# Allegro board T736_DEMO_DBOARD_V0-5-draft.brd (continued)
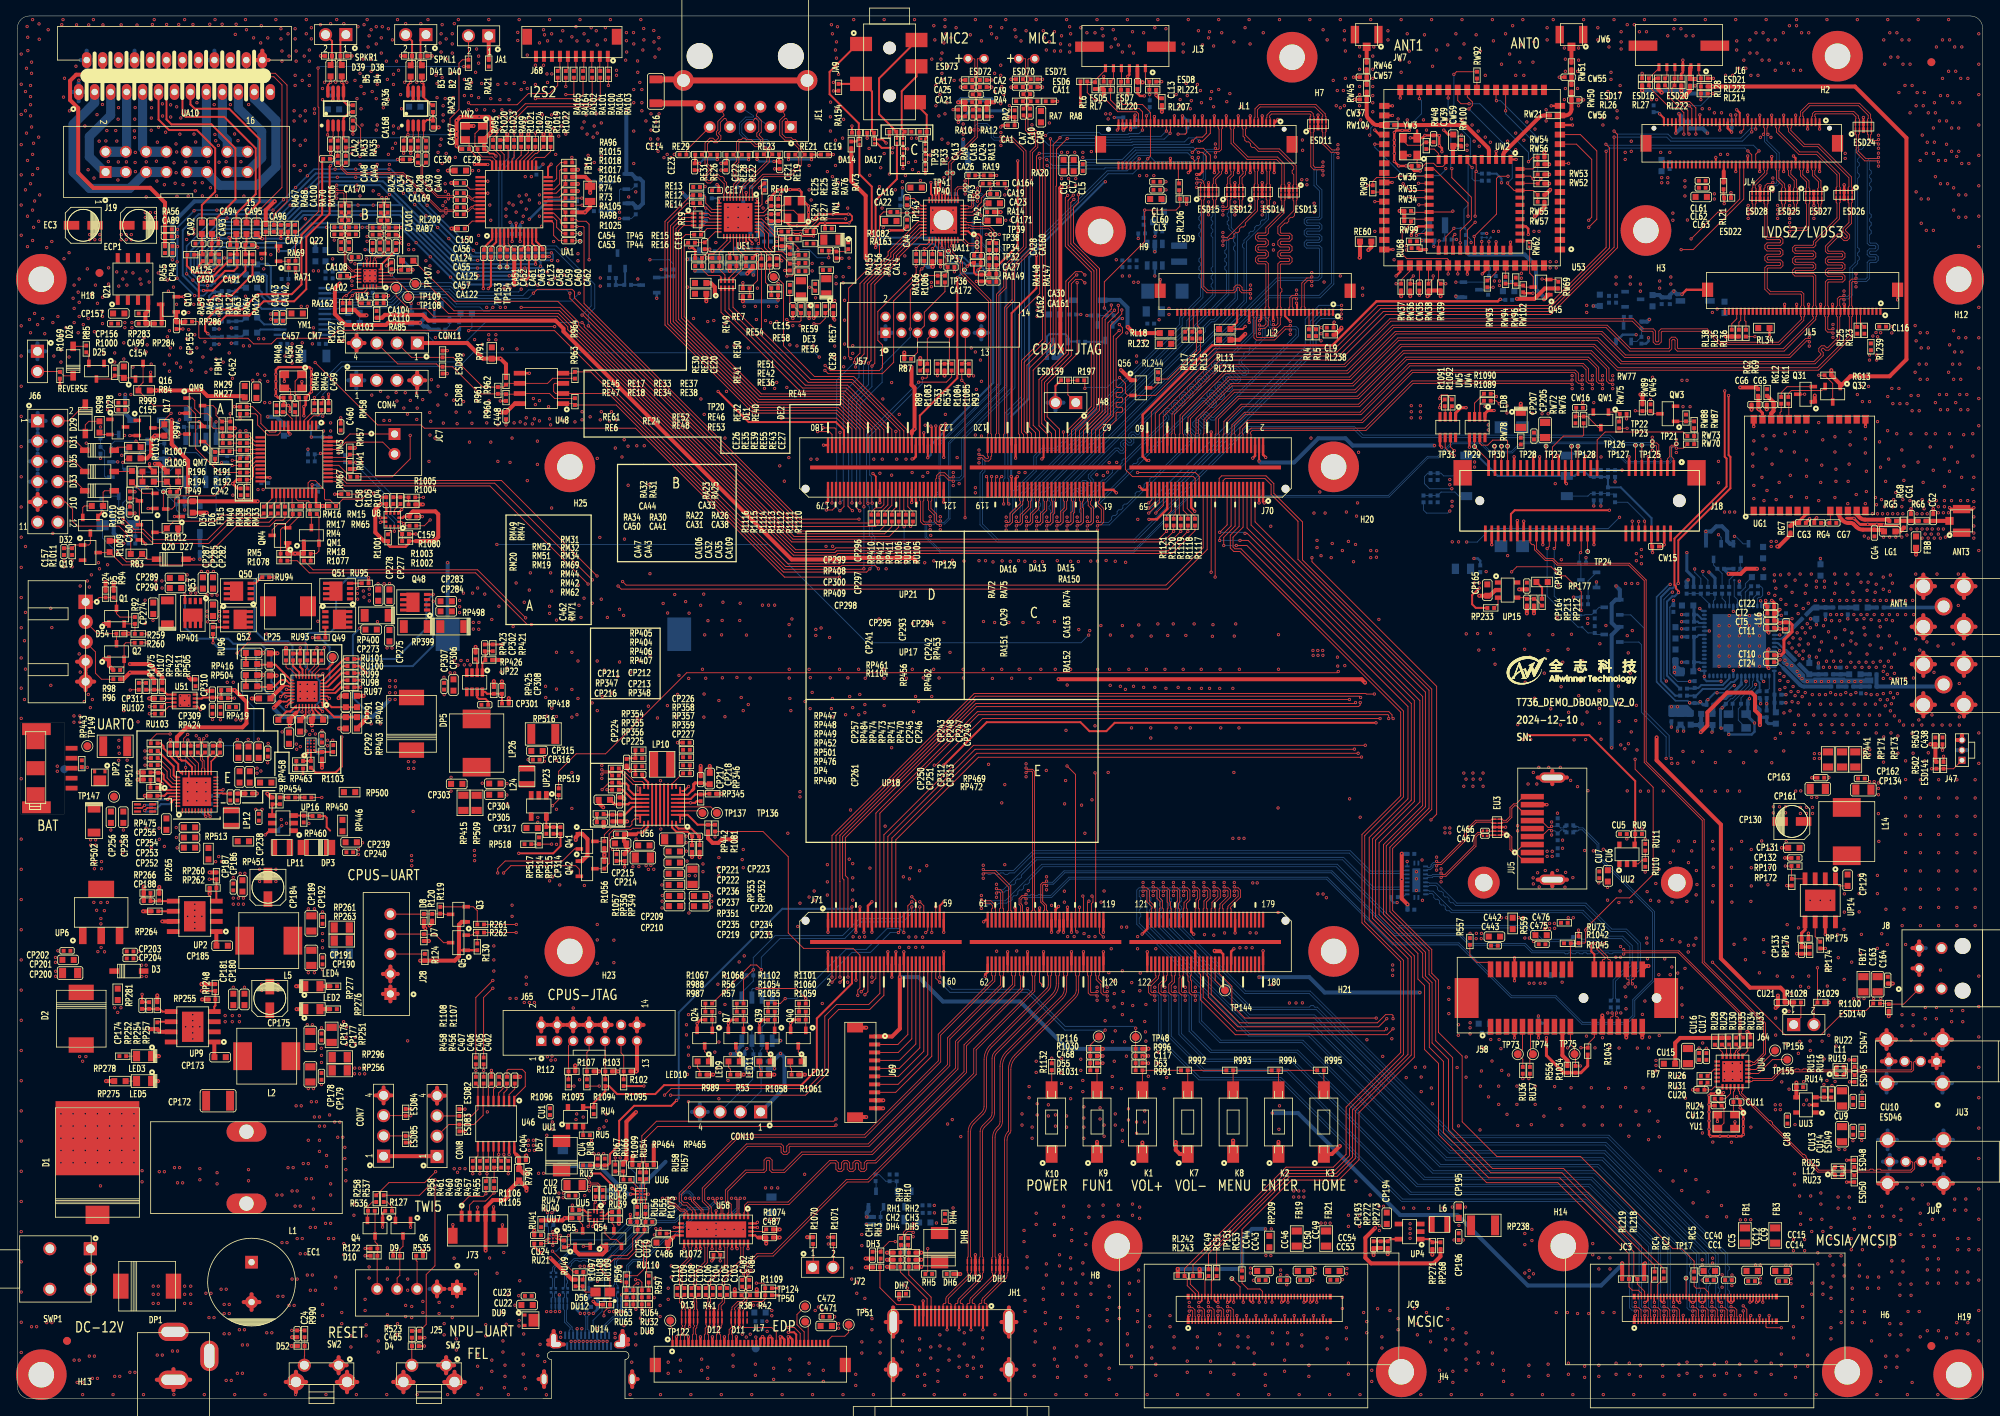
[diagram p0: board, top side]
## Routing (per net, layer and track width the routed paths; a pad name or vN(x,y) marks a point on that pad's centre or on a via; arc(x,y) is an arc through that point) (continued)
VSYS: length 27.7
  TOP w0.203: 32.89,87.38 33.37,87.38 33.38,87.36 33.78,87.36 34.02,87.6 34.12,87.6 34.17,87.65 UP21.23
  TOP w0.508: 32.89,87.38 v1(32.13,86.61) ; RP418.2 v1(61.56,87.8)
  L3 w0.508: v1(61.56,87.8) 53.91,87.8 v1(53.47,88.24)
  BOTTOM w0.508: v1(46.66,87.63) 44.48,85.45 33.17,85.45 32.13,86.49 v1(32.13,86.61)
  vias: v1(21.72,101.6) v1(21.72,100.97) v1(22.35,101.6) v1(22.35,100.97) v1(23.75,100.71) v1(24.38,100.71) v1(25.02,100.71) v1(46.65,90) v1(46.65,89.24) v1(46.65,88.48) v1(47.32,87.63) v1(47.36,89.98) v1(47.36,89.22) v1(47.36,88.46)
WAKEUP-IN: length 4.9
  TOP w0.114: CW16.2 195.28,123.19 RW72.1 RW76.2 196.68,123.11 198.08,121.71 QW1.3
WAKEUP-OUT: length 2
  TOP w0.114: RW87.2 RW73.2 RW70.2
WIFI-XTAL-IN: length 5.8
  TOP w0.114: YW3.1 175.35,154.69 CW36.1 176.13,154.51 176.46,154.84 177.42,154.84 177.82,154.43 178.56,154.43 178.95,154.82 UW2.10
WIFI-XTAL-OUT: length 2.5
  TOP w0.114: UW2.11 178.05,156.06 177.49,156.62 RW48.1
WL-EN: length 21.7
  TOP w0.114: v1(181.74,148.21) 181.74,149.86 177.47,154.13 UW2.12 ; RW93.1 v1(184.88,139.3)
  L4 w0.114: v1(181.74,148.21) 181.74,147.22 181.5,146.98 181.5,142.09 184.29,139.3 v1(184.88,139.3)
  BOTTOM w0.114: Q46.3 184.03,138.99 RW97.1 184.79,139.21 v1(184.88,139.3)
WL-REG-ON: length 145.5
  TOP w0.114: J71.11 104.05,65.24 103.73,65.56 103.73,70.31 120.16,86.74 168.02,86.74 168.22,86.94 v1(168.22,87.25)
  L4 w0.114: v1(168.22,87.25) 168.78,87.81 168.78,88.72 169.53,89.46 169.73,89.46 174.53,94.26 174.53,121.11 176.31,122.89 176.31,135.29 180.21,139.19 v1(180.21,139.94)
  BOTTOM w0.114: v1(180.21,139.94) Q46.2 184.09,139.94 184.36,140.21 RW43.2 RW40.1
WL-SDIO-CLK: length 80.3
  TOP w0.114: v1(138.05,134.62) 138.44,134.23 138.44,133.61 137.64,132.82 137.64,126.86 137.76,126.74 138.34,126.74 138.46,126.63 138.46,126.24 138.34,126.12 137.76,126.12 137.64,126.01 137.64,125.61 137.76,125.5 138.34,125.5 138.46,125.38 138.46,124.99 138.34,124.88 137.76,124.88 137.64,124.76 137.64,124.37 137.76,124.25 138.34,124.25 138.46,124.14 138.46,123.75 138.34,123.63 137.76,123.63 137.64,123.52 137.64,122.63 136.05,121.04 J70.62 ; v1(174.88,140.72) 174.5,140.34 RW36.1 CW35.2 175.64,142.03 U53.51 ; UW2.17 v1(175.56,149.63)
  L3 w0.114: v1(138.05,134.62) 138.4,134.97 138.6,134.97 138.7,135.07 139.6,135.07 139.71,135.19 139.71,135.58 139.83,135.69 140.22,135.69 140.33,135.58 140.33,135.19 140.45,135.07 140.84,135.07 140.96,135.19 140.96,135.58 141.07,135.69 141.46,135.69 141.58,135.58 141.58,135.19 141.69,135.07 142.15,135.07 142.43,134.79 145.88,134.79 147.03,135.93 163.25,135.93 167.6,140.28 174.44,140.28 v1(174.88,140.72)
  L4 w0.114: v1(175.56,149.63) 176.25,148.95 176.25,148.47 176.14,148.36 175.58,148.36 175.46,148.24 175.46,148.01 175.58,147.9 176.14,147.9 176.25,147.78 176.25,147.56 176.14,147.44 175.58,147.44 175.46,147.33 175.46,147.1 175.58,146.98 176.14,146.98 176.25,146.87 176.25,145.86 176.01,145.62 175.69,145.62 174.88,144.81 v1(174.88,140.72)
WL-SDIO-CMD: length 77.8
  TOP w0.114: U53.50 174.44,141.32 173.35,140.23 RW37.1 v1(172.72,139.74) ; UW2.16 v1(173.74,150.53) ; J70.64 135.55,121.42 137.3,123.17 137.3,133.16 v1(138.02,133.88)
  L3 w0.114: v1(172.72,139.74) 171.16,139.74 171.05,139.63 171.05,137.88 170.93,137.76 170.54,137.76 170.43,137.88 170.43,139.63 170.31,139.74 169.92,139.74 169.8,139.63 169.8,137.88 169.69,137.76 169.29,137.76 169.18,137.88 169.18,139.63 169.07,139.74 167.61,139.74 163.46,135.59 151.11,135.59 149.97,134.45 142.26,134.45 141.98,134.73 138.87,134.73 v1(138.02,133.88)
  L4 w0.114: v1(173.74,150.53) 173.74,149.21 173.61,149.08 173.61,140.63 v1(172.72,139.74)
WL-SDIO-D0: length 79.5
  TOP w0.114: RW35.1 174.77,148.69 176.82,148.69 UW2.18 179.72,148.73 v1(179.83,148.84) ; v1(138.35,136.45) 138.35,135.94 136.96,134.54 136.96,123.31 135.05,121.41 J70.66 ; U53.55 v1(180.44,140.97)
  L3 w0.114: v1(180.44,140.97) 179.91,140.44 178.94,140.44 178.47,139.96 176.91,139.96 175.4,141.47 167.82,141.47 162.97,136.62 146.48,136.62 145.33,135.48 144,135.48 143.03,136.45 v1(138.35,136.45)
  L4 w0.114: v1(179.83,148.84) 179.83,148.46 179.07,147.7 179.07,142.34 v1(180.44,140.97)
WL-SDIO-D1: length 77.9
  TOP w0.114: v1(179.24,140.97) U53.54 179.24,142.78 179.13,142.89 174.05,142.89 173.48,143.46 173.48,146.22 174.59,147.33 RW34.1 174.85,147.83 UW2.19 ; J70.68 134.55,121.39 136.61,123.45 136.61,134.84 137.92,136.14 v1(137.92,137.03)
  L3 w0.114: v1(137.92,137.03) 144.07,137.03 144.1,137.06 148.95,137.06 153.7,141.81 175.69,141.81 177.2,140.3 177.54,140.3 178.21,140.97 v1(179.24,140.97)
WL-SDIO-D2: length 81.9
  TOP w0.114: UW2.14 v1(175.53,152.33) ; U53.53 178.04,140.01 RW39.1 v1(178.94,139.74) ; J70.70 134.05,121.38 136.27,123.6 136.27,135.25 v1(137.44,136.42)
  L3 w0.114: v1(178.94,139.74) 178.82,139.62 176.76,139.62 175.25,141.13 167.96,141.13 163.11,136.28 146.88,136.28 145.74,135.13 143.76,135.13 142.86,136.04 137.83,136.04 v1(137.44,136.42)
  L4 w0.114: v1(178.94,139.74) 177.93,140.76 177.93,144.53 177.67,144.78 177.67,150.19 v1(175.53,152.33)
WL-SDIO-D3: length 82.9
  TOP w0.114: v1(177.37,140.72) 177.37,140.33 RW38.1 176.78,141.97 U53.52 ; v1(173.61,152.27) 174.45,151.43 UW2.15 ; v1(137.05,137.07) 137.05,136.56 135.9,135.42 135.9,123.71 133.55,121.36 J70.72
  L3 w0.114: v1(137.05,137.07) 137.8,137.83 149.16,137.83 153.49,142.16 175.93,142.16 v1(177.37,140.72)
  L4 w0.114: v1(173.61,152.27) 174.45,151.43 175.53,151.43 177.03,149.93 177.03,144.28 177.07,144.24 177.07,141.01 v1(177.37,140.72)
WL-WAKE-AP: length 158.1
  TOP w0.114: v1(167.64,87.25) 167.51,87.12 120.06,87.12 103.38,70.45 103.38,65.2 103.55,65.03 J71.9 ; v1(169.13,152.08) RW98.1 169.8,152.58 170.27,153.05 172.67,153.05 172.85,153.23 UW2.13
  L4 w0.114: v1(169.13,152.08) 169.13,148.3 170.81,146.62 170.81,138.66 172.09,137.38 172.09,95.1 167.64,90.66 v1(167.64,87.25)
WL_INT_N: length 1.4
  TOP w0.114: U53.42 RW98.2
WREQIN: length 158.8
  TOP w0.114: U53.30 v1(175.64,162.94) ; v1(171.55,47.62) 170.54,46.61 152.91,46.61 149.2,50.32 149.2,52.88 149.05,53.03 J71.152
  L4 w0.114: v1(171.55,47.62) 171.55,48.04 174.64,51.13 174.64,59.24 166.01,67.87 166.01,90.83 171.06,95.87 171.06,135.9 169.67,137.29 169.67,144.81 168.37,146.11 168.37,157.32 v1(169.42,158.37)
  BOTTOM w0.114: v1(175.64,162.94) 175.9,162.69 175.9,161.04 174.62,159.77 170.05,159.77 169.54,159.26 169.54,158.5 v1(169.42,158.37)
XRSTJ: length 1.5
  TOP w0.114: RU30.2 214.62,44.21 UU4.16
XTAL-25MIN: length 6.2
  TOP w0.114: UE1.36 93.6,148.26 93.79,148.46 CE24.2 RE27.2 95.82,148.95 97.23,148.95 YN1.1
XTAL-25MOUT: length 4.4
  TOP w0.114: YN1.3 96.48,150.1 95.89,149.51 RE25.2 CE25.2 94.29,149.51 93.44,148.66 UE1.37
N17310341: length 1.1
  TOP w0.114: UU1.3 70.88,33.28 RU5.2
N17311481: length 4.9
  TOP w0.112: v1(192.2,71.18) 192.04,71.34 191.81,71.34 190.92,70.45 JU5.2
  BOTTOM w0.112: L10.4 193.75,71.29 193.41,71.29 ESD43.2 192.62,71.18 v1(192.2,71.18)
N17311494: length 4.8
  TOP w0.112: JU5.3 190.9,72.45 191.77,71.58 192.04,71.58 v1(192.2,71.74)
  BOTTOM w0.112: L10.3 193.72,71.53 193.33,71.53 ESD42.2 192.8,71.74 v1(192.2,71.74)
N17311572: length 2.7
  TOP w0.114: UU2.3 203.04,67.03 203.52,67.51 RU10.2 RU11.2
N17526892: length 7
  TOP w0.114: R96.2 10.54,90.17 9.78,90.93 9.78,93.6 8.55,94.83 J24.3
N17526894: length 8.4
  TOP w0.114: R92.2 12.85,97.96 12.42,98.39 Q1.3 12.42,100.06 R94.1 D5.2 10.24,100.41 9.7,99.87 J24.1
N17526923: length 4.8
  TOP w0.114: R260.1 13.59,94.74 13.37,94.52 Q2.2 13.37,91.81 R98.2
N17526934: length 5.7
  TOP w0.114: Q2.3 12.42,95.87 D54.2 10.04,95.89 J24.2
N17534062: length 2.6
  TOP w0.114: R259.1 14.73,95.88 R92.1 13.39,97.11 Q1.2
N17535435: length 4.3
  TOP w0.114: R124.2 51.04,55.73 J28.3
N17535437: length 7.6
  TOP w0.114: Q3.3 53.52,60.71 53.43,60.79 R119.2 52.94,60.75 R120.1 D8.2 50.91,60.73 J28.5
N17535446: length 2.9
  TOP w0.114: R130.2 57.61,57.06 R262.1 57.26,58.42 56.94,58.1 Q5.2
N17535460: length 8
  TOP w0.114: Q5.3 53.39,57.15 52.33,58.21 D7.2 50.91,58.23 J28.4
N17535579: length 6.6
  TOP w0.114: R119.1 56.21,61.64 Q3.2 57.11,61.66 57.61,61.16 R261.1
N17700611: length 10.2
  TOP w0.114: RH3.2 108.06,17.48 DH3.2 108.06,13.89 110.17,11.79 112.18,11.79 112.47,11.5 JH1.19
N19372000: length 30
  TOP w0.254: RP252.2 CP174.2 v1(15.62,50.67)
  L3 w0.508: v1(38.07,43.92) 39.09,44.93 39.09,46.35 37.69,47.75 34.24,47.75 32.61,49.38 16.92,49.38 v1(15.62,50.67)
  vias: v1(38.1,43.03) v1(38.1,42.14)
N19372050: length 3.8
  TOP w0.254: CP174.1 RP252.1 RP254.2 17.82,48.85 18.16,48.51 UP9.5
N19372315: length 1.8
  TOP w0.254: RP257.2 17.61,47.24 UP9.6
N19375956: length 38
  TOP w0.381: RP176.2 CP133.2 v1(222.91,55.77)
  L3 w0.254: v1(222.91,55.77) 226.61,55.77 234.95,64.11 234.95,76.3 233.4,77.86 v1(226.95,77.86)
N19376064: length 2.7
  TOP w0.114: UP14.6 225.22,57.91 RP174.2
N19376082: length 4.3
  TOP w0.381: UP14.5 223.95,58.78 223.52,58.35 RP175.2 223.52,56.62 CP133.1 RP176.1
N19376094: length 2.1
  TOP w0.114: CP129.2 228.21,64.27 227.76,64.72 UP14.1
N19376526: length 2.4
  TOP w0.254: RP177.1 191.01,101.65 RP212.2
N19376534: length 3.5
  TOP w0.114: UP15.4 188.95,100.4 CP164.2 RP213.1 190.16,100.25 RP212.1
N19376562: length 1.5
  TOP w0.114: RP233.2 185.49,99.6 UP15.3
N19388067: length 2.3
  TOP w0.114: RL206.2 145.45,152.41 JL1.50
N19388835: length 2.2
  TOP w0.114: JL1.65 v1(141.45,160.78)
  BOTTOM w0.114: RL40.1 141.86,161.2 v1(141.45,160.78)
N19391444: length 7.5
  BOTTOM w0.254: RL8.2 CL10.1 128.99,133.13 129.29,133.43 131.27,133.43 131.63,133.06 QL1.1 132.89,132.5 RL10.2
N19391490: length 2.3
  BOTTOM w0.114: QL2.1 135.32,135.66 RL12.2 RL11.2
N19391591: length 2.6
  BOTTOM w0.254: RL10.1 136.1,132.46 QL2.3
N19391645: length 2.6
  TOP w0.114: RL17.1 146.81,134.24 JL2.37
N19391686: length 2.1
  TOP w0.114: JL2.7 161.81,134.04 RL4.2
N19391690: length 2.3
  TOP w0.114: JL2.6 162.31,134.4 RL5.2
N19391883: length 2.5
  TOP w0.114: JL2.36 147.31,133.85 RL14.2
N19393896: length 2.3
  TOP w0.254: 213.77,153.83 JL4.50
  TOP w0.508: RL21.2 213.77,152.47 213.77,153.83
N19395517: length 1.1
  BOTTOM w0.114: RL31.1 201.22,135.55 QL4.3
N19395559: length 2.6
  BOTTOM w0.114: QL4.1 202.87,132.5 RL33.2 RL32.2
N19395675: length 2.6
  TOP w0.114: JL5.37 215.4,135.35 214.78,134.73 RL38.1
N19395722:
  vias: v1(212.34,136.14) v1(212.94,136.58)
N19395730: length 2.2
  TOP w0.114: JL5.6 230.9,134.81 RL23.2
N19395732: length 2
  TOP w0.114: JL5.7 230.4,134.42 RL25.2
N19395736: length 2.4
  TOP w0.114: RL36.1 216.55,134.98 216.4,135.13 JL5.35
N19395903: length 2.4
  TOP w0.114: RL35.2 215.67,134.92 215.9,135.15 JL5.36
N19405921: length 2.5
  TOP w0.114: RC4.2 204.66,14.62 JC3.12
N19405955: length 3.6
  TOP w0.114: JC3.48 211.85,13.32 211.33,13.84 210.31,13.84 210.06,14.1 RC5.2
N19405994: length 2.6
  TOP w0.114: JC3.16 205.46,14.28 RC2.2
N19409749: length 5.8
  BOTTOM w0.114: RW86.1 CW19.2 ESD57.1 178.35,113.63 180.09,113.63 180.6,113.12 J3.7
N19409758: length 6.3
  BOTTOM w0.114: J3.3 196.74,113.12 197.08,113.45 ESD56.1 CW20.2 199.18,113.45 RW84.2 199.98,113.37 RW85.1
N19419901: length 11.1
  L4 w0.508: v1(92.2,140.84) 92.2,141.73 93.73,143.26 93.73,144.27 94.49,145.03 v1(95.12,145.03)
  BOTTOM w0.508: RE3.1 88.25,142.63 88.65,142.24 91.31,142.24 92.2,141.35 v1(92.2,140.84)
N19421285: length 5.3
  TOP w0.254: RE21.2 CE19.2
  TOP w0.305: RE19.2 v1(96.6,155.3) ; RE21.2 v1(99.48,155.3)
  BOTTOM w0.254: v1(99.48,155.3) v1(96.6,155.3)
N19421315: length 4.5
  TOP w0.254: CE21.2 95.42,155.07 RE23.2
  TOP w0.305: RE22.2 v1(92.67,155.33) ; 95.42,155.07 v1(94.79,155.07)
  BOTTOM w0.254: v1(94.79,155.07) 92.93,155.07 v1(92.67,155.33)
N19421329: length 6
  TOP w0.254: CE22.2 88.86,154.91 RE26.2
  TOP w0.305: CE22.2 v1(88.15,154.83) ; RE28.2 v1(91.61,155.3)
  BOTTOM w0.254: v1(88.15,154.83) 88.62,155.3 v1(91.61,155.3)
N19421339: length 4.8
  TOP w0.305: RE31.2 v1(87.67,155.3) ; RE29.2 84.92,154.91 CE23.2 v1(85.46,154.83)
  BOTTOM w0.254: v1(85.46,154.83) 85.94,155.3 v1(87.67,155.3)
N19421372: length 4.7
  TOP w0.114: CE14.1 83.81,156.46 JE1.9
N19426609: length 7.3
  TOP w0.114: K1.2 140.94,41.1 R991.2 R992.1
N19426617: length 7.3
  TOP w0.114: R994.1 R993.2 152.3,41.13 K8.2
N19426627: length 7.3
  TOP w0.114: R995.1 R994.2 157.99,41.14 K2.2
N19426637: length 7.3
  TOP w0.114: R993.1 R992.2 146.62,41.1 K7.2
N19426641: length 2.5
  TOP w0.114: R995.2 163.67,41.1 K3.2
N19458872:
  vias: v1(124.28,162.08) v1(124.28,161.49) v1(129.29,159.89)
N19459092: length 3.6
  TOP w0.508: RA9.2 118.74,162.45 RA10.2 v1(117.86,162.48)
  BOTTOM w0.508: CA20.2 118.24,162.86 v1(117.86,162.48)
N19459118: length 3.5
  TOP w0.508: RA13.2 121.43,162.48 RA12.2 v1(122.38,162.48)
  BOTTOM w0.508: CA20.1 122,162.86 v1(122.38,162.48)
N19462537: length 5.3
  TOP w0.102: RA23.1 45.8,148.38 45.8,147.78 45.69,147.68 CA33.2 45.8,147.4 45.8,147.23 RA22.1 45.8,146.35 45.8,146 45.69,145.9 CA31.2 45.8,145.46 45.8,145.25 CA32.1
N19462549: length 5.1
  TOP w0.102: CA43.1 41.31,144.95 41.21,145.05 41.21,145.57 CA41.2 41.31,145.92 41.21,146.02 41.21,146.46 RA30.1 41.21,147.16 41.21,147.43 CA44.2 41.21,147.97 41.21,148.36 RA31.1
N19462627: length 4.9
  TOP w0.102: RA32.1 40.91,148.36 40.91,147.97 CA44.1 40.91,147.43 40.91,147.16 RA34.2 40.91,146.46 40.91,146.02 40.81,145.92 CA50.1 40.91,145.57 40.91,145.3 CA47.1
N19462788: length 5.3
  TOP w0.102: CA35.1 46.1,145.25 46.1,145.46 CA38.1 46.2,145.9 46.1,146 46.1,146.35 RA26.2 46.1,147.23 46.1,147.4 CA33.1 46.2,147.68 46.1,147.78 46.1,148.38 RA25.1
N19487538: length 6.6
  TOP w0.102: J58.A13 198.56,54.96 198.66,55.06 198.8,55.06 198.9,55.16 198.9,55.31 197.84,56.37 197.84,56.9 v1(197.71,57.02)
  BOTTOM w0.102: v1(197.71,57.02) 197.84,57.15 197.84,57.36 197.74,57.46 196.7,57.46 196.51,57.28 196.03,57.28 R1035.2
N19487540: length 7.2
  TOP w0.102: J58.A14 199.56,54.96 199.45,55.06 199.31,55.06 199.21,55.16 199.21,55.43 198.15,56.5 198.15,56.9 v1(198.27,57.02)
  BOTTOM w0.102: R1036.2 196.03,57.58 196.39,57.58 196.57,57.77 197.87,57.77 198.15,57.49 198.15,57.15 v1(198.27,57.02)
N19487589: length 5.2
  TOP w0.508: J58.B10 193.56,43.02 194.18,42.39 R556.1
N19487634: length 5.1
  TOP w0.114: R557.2 181.97,55.55 182.83,54.69 184.44,54.69 184.56,54.57 J58.A1
N19571653: length 2
  TOP w0.114: CA106.1 44.5,143.43 44.22,143.15 44.22,142.57 44.17,142.52 UA3.8
N19681926: length 2
  TOP w0.114: UA2.2 49.59,157.98 CA34.1
N19681928: length 1.1
  TOP w0.114: CA40.1 RA28.1
N19681938: length 4.8
  TOP w0.114: RA28.2 50.89,157.97 UA2.4
  TOP w0.254: RA29.1 CA167.1 51.99,160.27 51.31,160.27 50.89,159.85 UA2.4
N19681971: length 2.2
  TOP w0.114: CA169.1 49.72,155.32 CA39.1 RA27.1
N19681973: length 1.9
  TOP w0.114: UA2.3 50.24,157.74 RA27.2
N19682065: length 6.2
  TOP w0.114: CA168.1 43,159.23 43,157.58 42.25,156.83 RA35.1 CA49.1
N19682067: length 2
  TOP w0.114: CA42.1 39.55,157.98 UA4.2
N19682069: length 4.4
  TOP w0.254: RA35.2 40.85,157.97 UA4.4 40.85,160.49 41.64,161.27 RA36.1
N19682113: length 1.9
  TOP w0.114: RA33.2 40.2,157.74 UA4.3
N19682135: length 2.2
  TOP w0.114: RA33.1 CA48.1 39.76,155.4 CA170.1
N19682166: length 3
  TOP w0.508: RA21.1 JA1.1
N19686641: length 4.2
  TOP w0.254: 51.18,170.97 50.5,170.29 D40.2 50.5,167.3 B2.2
N19686661: length 4.2
  TOP w0.254: SPKL1.2 49.45,170.16 D41.2 49.45,167.3 B3.2
N19686663: length 4.2
  TOP w0.254: B4.2 40.47,167.33 D38.2 40.47,170.29 SPKR1.1
N19686673: length 4.2
  TOP w0.254: B5.2 39.41,167.33 D39.2 39.41,170.16 SPKR1.2
N19770563: length 4.9
  TOP w0.114: D32.3 9.14,107.19 8.95,106.99 Q19.1 7.26,106.99 R1011.1 C157.2
N19771083: length 5.2
  TOP w0.114: Q16.1 14.66,127.94 C154.2 13.05,128.23 R1000.1 11.77,127.81 D25.3
N19774875: length 10.3
  TOP w0.114: v1(12.51,106.03) 13.65,104.89 14.64,104.89 R83.1 16.28,105.22 D27.2
  BOTTOM w0.114: v1(12.51,106.03) 10.67,107.87 D24.C
N19774889: length 4.4
  BOTTOM w0.114: Q15.1 13.65,110.3 D24.A 14.78,109.17 C153.1 R82.2
N19775361: length 8.3
  BOTTOM w0.114: Q18.1 11.04,115.51 10.92,115.62 10.92,118.79 R1008.1 C156.2 10.92,120.86 D30.3
N19775460: length 5.4
  TOP w0.114: Q20.1 D34.3 14.94,112.86 R106.1 C160.2
N19779918: length 7.5
  TOP w0.114: C405.2 61.34,41.14 61.47,41.27 63.25,41.27 63.63,40.89 63.63,39.12 62.25,37.74 U46.1
N19779920: length 2.4
  TOP w0.114: U46.3 60.95,38.34 61.34,38.73 C405.1
N19779922: length 3.5
  TOP w0.114: U46.4 60.3,38.33 60.83,38.86 60.83,39.87 C406.2
N19779933: length 2.4
  TOP w0.114: U46.6 59,39.11 C407.2
N19779951: length 2.5
  TOP w0.114: C406.1 59.65,38.78 U46.5
N19779972: length 2.5
  TOP w0.114: U46.2 61.6,38.11 62.31,38.82 C402.1
N19779989: length 1.9
  TOP w0.114: U46.12 59.65,29.87 R459.1
N19779991: length 1.9
  TOP w0.114: U46.11 59,29.97 R460.1
N19780033: length 2
  TOP w0.114: U46.10 58.35,30.21 R461.1
N19780058: length 2.1
  TOP w0.114: U46.9 57.7,30.45 R958.1
N19825540: length 1.1
  TOP w0.114: R1001.2 46.73,108.62 U8.11
N19825553: length 2.8
  TOP w0.114: R1004.1 R1005.1 48.98,112.99 R104.2 R105.2
N19825554: length 2.1
  TOP w0.114: R1002.2 R1003.2 47.72,108.85 U8.1
N19829526: length 3.1
  TOP w0.114: RM50.1 34.21,125.09 C457.2 34.21,126.52 34.09,126.63 YM1.3
N19831822: length 3.1
  TOP w0.114: RM19.1 25.65,118.66 RM20.2 23.47,119.95 QM7.1
N20102372: length 4.3
  BOTTOM w0.114: QH4.1 110.15,26.64 RH20.1 CH6.1 108.79,27.25 107.93,28.11 RH22.2
N20102505: length 1.3
  BOTTOM w0.114: QH5.3 107.57,27.21 RH22.1
N20201215: length 2.4
  TOP w0.114: R56.2 R57.2 90.96,47.49 Q7.1
N20201255: length 2.2
  TOP w0.114: Q7.3 90.01,43.49 90.51,43 LED9.2
N20201276: length 1.8
  TOP w0.114: R53.1 89.32,41.31 89.08,41.55 LED9.1
N20203968: length 1.3
  TOP w0.508: 243.61,83.18 J47.3 242.98,82.55
N20204246: length 2.4
  TOP w0.114: Q24.1 87.06,47.48 R987.2 R988.2
N20204286: length 2.2
  TOP w0.114: Q24.3 86.11,43.51 86.63,42.98 LED10.2
N20204307: length 1.8
  TOP w0.114: LED10.1 85.21,41.43 85.49,41.15 R989.1
N20295184: length 1.4
  TOP w0.114: LED5.1 RP275.1
N20295185: length 1.3
  TOP w0.508: LED2.1 RP276.1
N20295186: length 1.3
  TOP w0.114: LED3.1 RP278.1
N20295187: length 1.3
  TOP w0.508: LED4.1 RP277.1
N20295497: length 1.7
  TOP w0.114: D26.1 8.54,131.9 R85.2
N20295509: length 1.5
  TOP w0.114: D25.2 8.96,130.83 R85.1
N20295552: length 5
  TOP w0.114: v1(14.86,120.02) 15.44,119.43 R1007.1
  BOTTOM w0.114: D30.2 11.75,119.57 12.19,120.02 v1(14.86,120.02)
N20295566: length 2
  TOP w0.114: R1007.2 12.52,119.25 D31.1
N20295584: length 2.2
  TOP w0.114: D35.1 14.27,116.2 R1013.2
N20295596: length 3.5
  TOP w0.114: D34.2 15.74,113.47 R1013.1
N20295618: length 2.5
  TOP w0.114: R1010.1 8.38,111.89 8.19,111.7 D32.2
N20295635: length 3.2
  TOP w0.114: R1010.2 10.74,113.61 10.92,113.79 D33.1
N20295656: length 3.1
  TOP w0.114: R998.2 8.97,122.5 8.51,122.05 D29.1
N20295682: length 1.4
  TOP w0.114: D28.2 10.53,120.84 R998.1
N20295748: length 1.9
  TOP w0.508: CP173.1 24.67,42.82 UP9.1
N20295781: length 2.5
  TOP w0.508: RP284.1 18.08,137.03 Q10.3
N20295782: length 2.4
  TOP w0.508: RP286.1 20.95,134.92 CP155.1 19.9,134.96 Q10.1
N20441672: length 2
  TOP w0.114: UM3.14 29.75,119.98 29.08,120.65 RM31.2
N20490806: length 2.2
  TOP w0.254: UA1.9 63.49,146.08 63.49,144.97 63.49,144.38 CA58.1
N20490812: length 2.1
  TOP w0.254: CA59.1 64,144.06 63.99,144.89 63.99,146.08 UA1.10
N20490816: length 2.2
  TOP w0.254: CA60.1 64.91,144.37 64.49,144.79 64.49,145.21 64.49,146.09 UA1.11
N20490824: length 2.4
  TOP w0.254: CA62.1 65.8,144.25 64.99,145.05 64.99,145.31 64.99,146.09 UA1.12
N20492590: length 2.9
  TOP w0.114: RA97.2 64.9,156.58 63.48,155.19 UA1.28
N20492593: length 4
  TOP w0.114: UA1.23 67.25,152.59 67.56,152.91 67.56,154.43 68.07,154.94 RA96.2
N20492596: length 2.7
  TOP w0.114: UA1.34 60.48,155.83 59.59,156.72 RA95.2
N20492599: length 2.4
  TOP w0.114: UA1.31 61.98,155.38 62.23,155.62 62.23,155.87 RA99.2
N20492605: length 3.2
  TOP w0.114: UA1.16 68.27,149.09 RA105.2 RA98.2
N20545610: length 2.4
  TOP w0.114: UA1.5 61.49,146.09 61.49,145.24 61.49,144.76 CA123.2
N20680799: length 9.1
  TOP w0.114: QM9.1 21.91,125.41 22.23,125.09 22.23,124.11 22.89,123.44 23.83,123.44 24.36,122.91 24.36,121.81 24.55,121.62 RM49.2 25.74,121.54 RM52.2 RM51.1
N20689829: length 3.1
  TOP w0.114: R1025.1 68.48,146.91 68.02,147.37 68.02,147.74 67.19,148.59 UA1.15
N20736023: length 6.5
  TOP w0.114: RL214.1 v1(212.4,163.58) ; v1(209.42,162.05) 209.77,161.7 JL4.65
  BOTTOM w0.114: v1(209.42,162.05) 210.88,162.05 v1(212.4,163.58)
N20973440: length 4.4
  BOTTOM w0.114: QW2.1 196.77,102.51 RW82.2 RW79.1
N20973512: length 2.5
  TOP w0.114: QW1.1 200.53,123.66 RW77.2 200.74,122.56 RW75.1
N21159841: length 2.8
  TOP w0.102: v1(199.78,48.34) 199.9,48.22 199.9,47.96 199.8,47.86 199.66,47.86 199.56,47.76 J58.B14
  BOTTOM w0.102: v1(199.78,48.34) 199.78,48.88 C446.2
N21159878: length 2.8
  TOP w0.102: J58.B15 200.56,47.76 200.45,47.86 200.31,47.86 200.21,47.96 200.21,48.22 v1(200.33,48.34)
  BOTTOM w0.102: v1(200.33,48.34) 200.33,48.88 C447.2
N21176642: length 3.1
  TOP w0.114: R1028.1 223.44,47.79 J64.1
N21178365: length 2.5
  TOP w0.114: K9.2 135.25,41.14 R1031.2
N21429334: length 28.2
  TOP w0.114: RA106.1 RA70.2 CA100.1 RA68.1 32.13,148.39 33.78,150.04 33.78,164.64 32.31,166.12 28.8,166.12 28.68,166.23 UA10.22
N21432724: length 30.8
  TOP w0.508: CP188.2 RP266.2 v1(15.83,64.18)
  L3 w0.508: v1(15.83,64.18) 16.4,64.74 23.04,64.74 23.75,64.03 37.29,64.03 39.22,62.1 39.22,59.28 v1(38.23,58.29)
  vias: v1(38.23,57.4) v1(38.23,56.52)
N21580363: length 3
  TOP w0.114: TP122.1 81.79,9.09 82.07,8.81 JL7.1
N21580376: length 2.3
  TOP w0.114: v1(92.51,7.72) 92.57,7.66 JL7.22
  BOTTOM w0.114: TP123.1 92.51,6.31 v1(92.51,7.72)
N21580535: length 4.4
  TOP w0.114: TP51.1 104.14,8.31 103.66,7.82 102.06,7.82 101.57,7.34 JL7.40
N21580558: length 5.4
  TOP w0.114: JL7.34 98.57,8.36 97.66,9.27 97.66,10.54 TP124.1
N21580561: length 2.9
  TOP w0.114: JL7.35 99.07,9.26 TP50.1
N21619013: length 1.1
  BOTTOM w0.112: LU6.4 71.05,14.66 RU53.2
N21619068: length 1.1
  BOTTOM w0.112: RU52.2 71.6,14.66 LU6.3
N21619152: length 2.8
  TOP w0.203: UU5.1 72.64,24.03 v1(72.82,24.21)